# Altium PCB MB1936.PcbDoc (part 5 of 13) (continued)
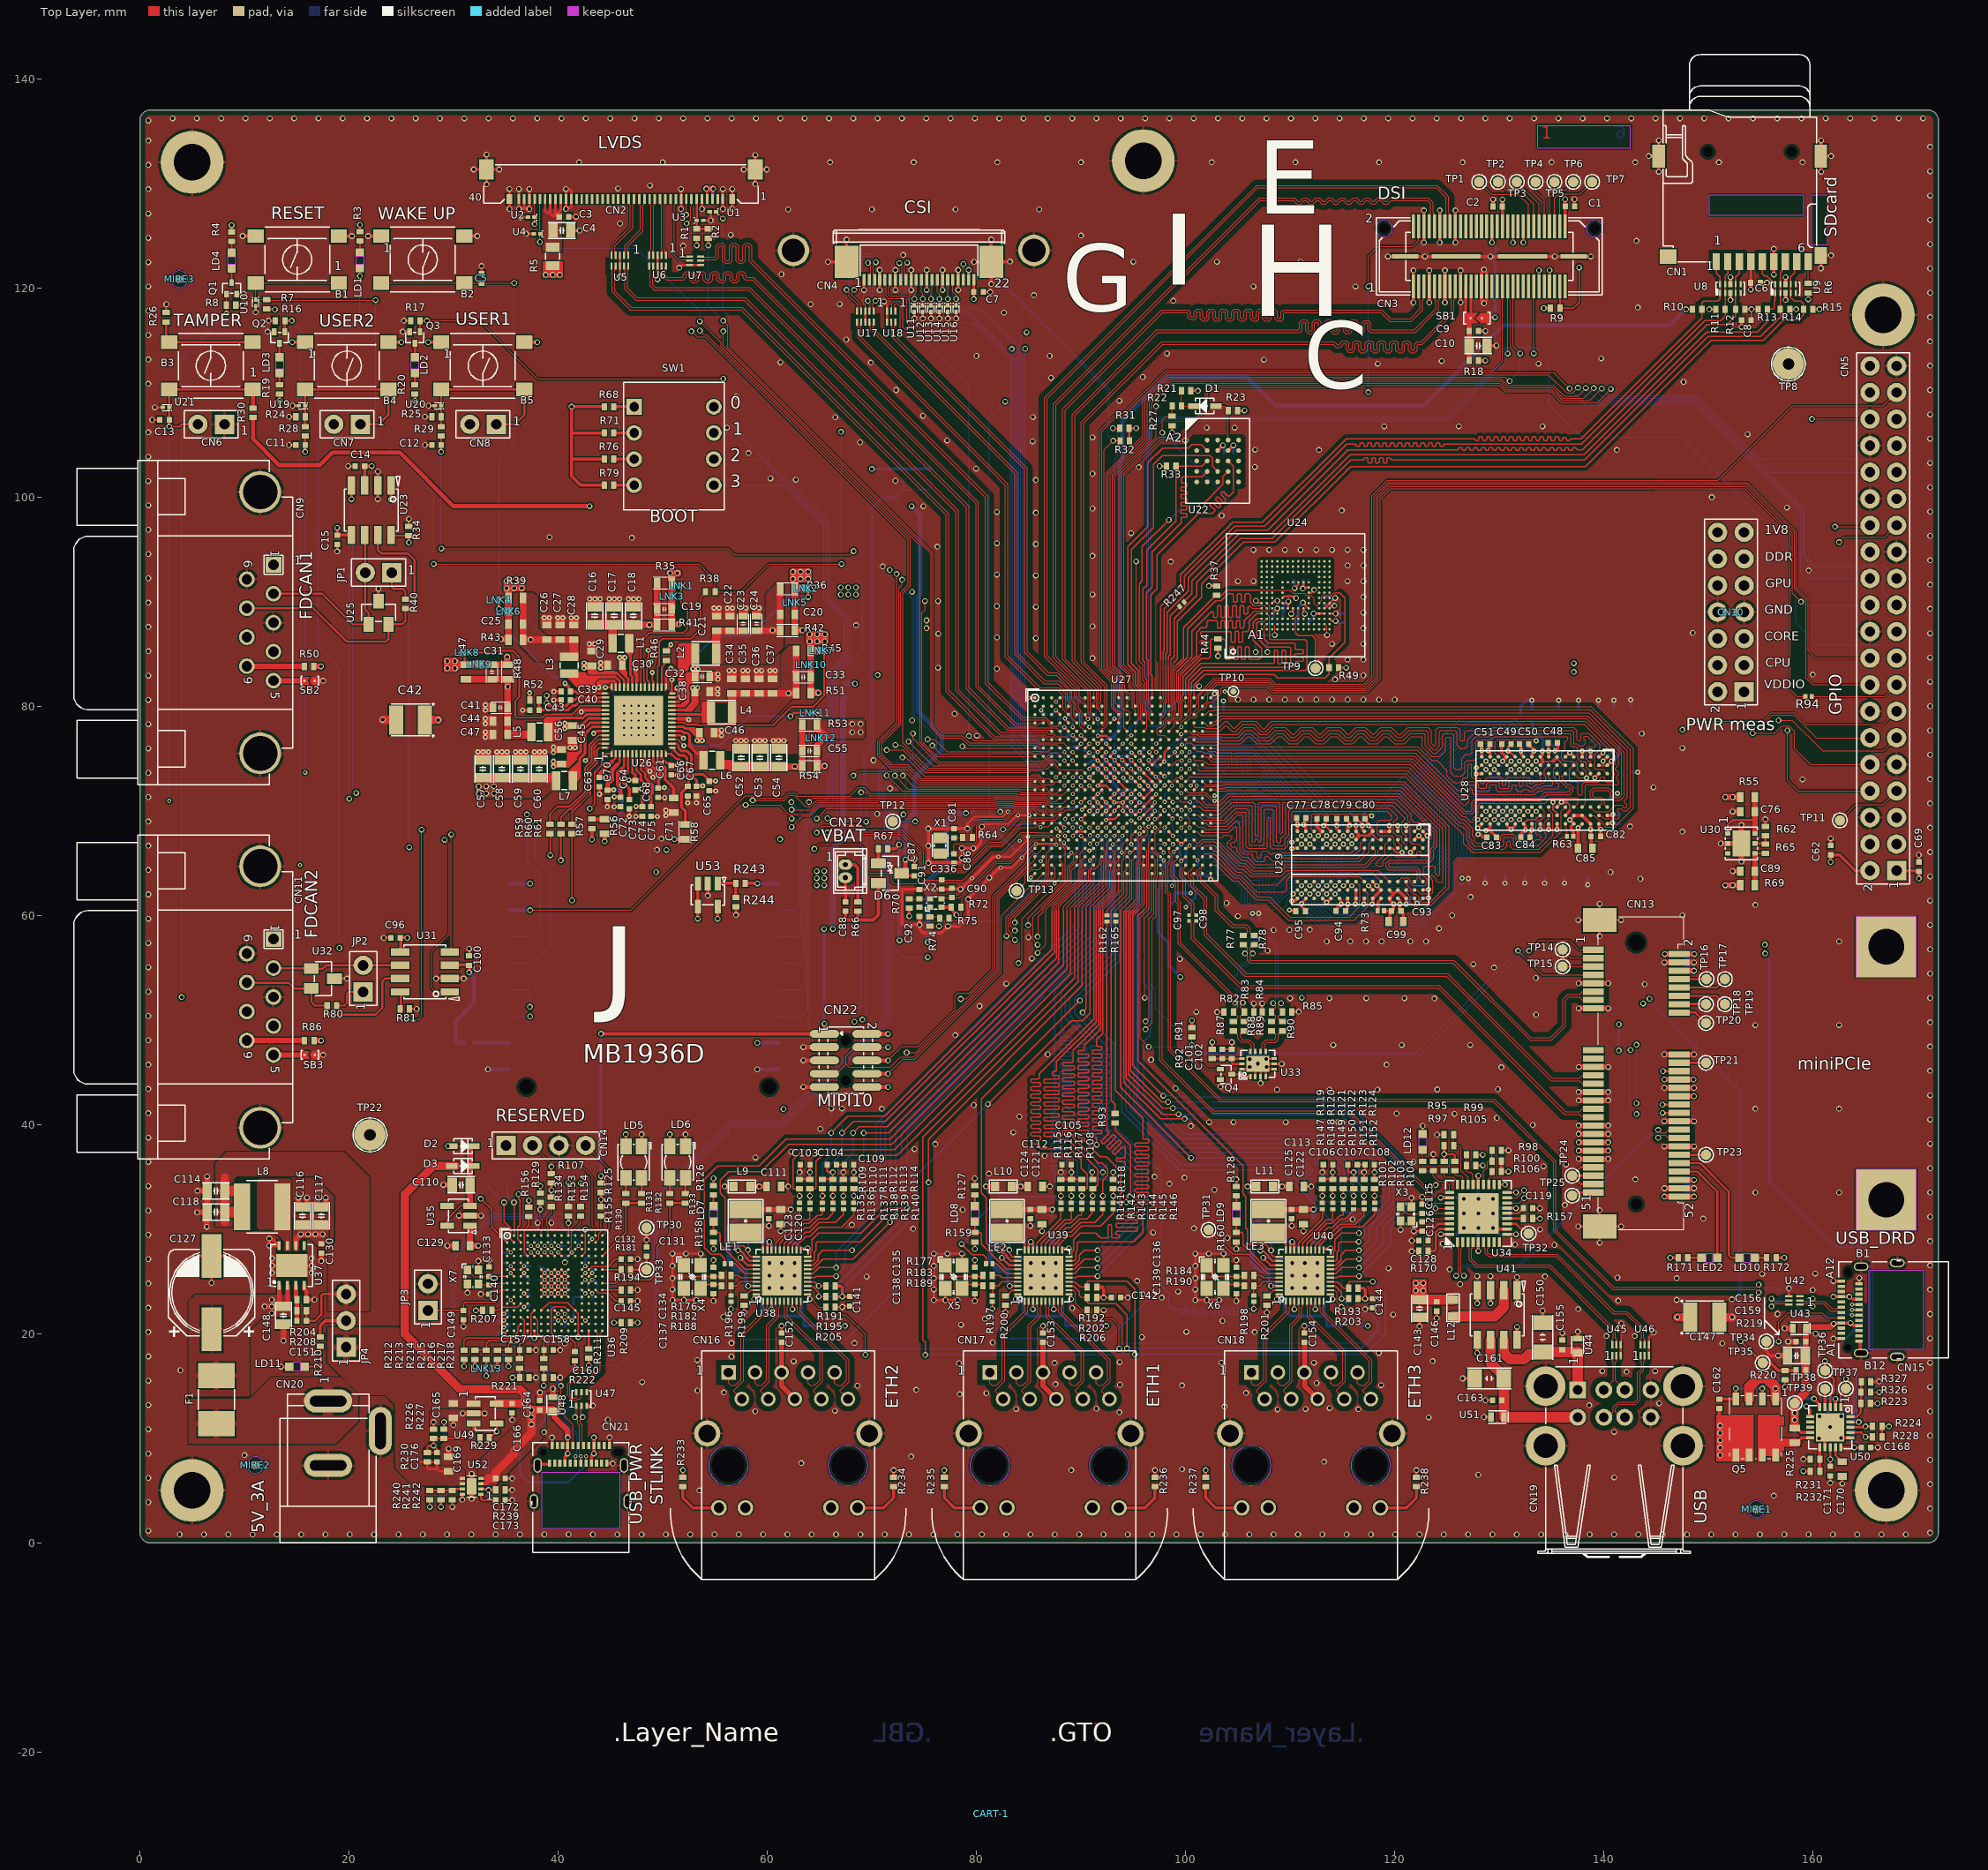
[diagram p0: Top Layer view]
## Nets (pads, with @x,y where several pads share a name; then routed paths per layer and width w, separated by ;. In a path a pad name is that pad's centre, name@x,y a point inside that pad or via, vN(x,y) a via of type N, cw(c..) or ccw(c..) an arc to the next point about the centre after c; other vN are vias at no path point) (continued)
  other v2: 98.825,70.05
DDR_CKE: R259.1 U27.M16 U28.K2 U29.K2 | length 57.3
  Top Layer w0.09: U27.M16@97.6,72 97.6,72.012 98,72.413 v2(98,72.425) ; U29.K2@115.5,67.225 v4(115.9,67.625) ; U28.K2@133.132,74.357 v4(133.525,74.75)
  Bottom Layer w0.09: v2(98,72.425) 98.345,72.77 98.345,75.92 99.386,76.961 107.381,76.961 115.278,69.064 115.278,68.398 115.9,67.776 v4(115.9,67.625) 115.975,67.625 116.45,68.1 117.584,68.1 117.9,68.416 117.9,69.065 118.215,69.379 118.215,69.796 126.896,78.477 131.132,78.477 133.72,75.889 133.72,75.392 133.525,75.197 v4(133.525,74.75) 134.965,74.75 135.75,75.535 135.75,76.4 135.375,76.775 135.375,77 R259.1@135.2,77.175
DDR_CLK_N: R270.2 U27.M19 U28.K8 U29.K8 | length 53.7
  Top Layer w0.09: U27.M19@100,72 100.295,71.705 101.964,71.705 102.369,71.3 102.625,71.3 v2(102.775,71.45) ; U29.K8@115.494,62.422 115.494,62.472 115.847,62.825 v4(115.9,62.825) ; U28.K8@133.125,69.525 U28.K8@133.125,69.55 133.125,69.575 133.478,69.928 v4@133.532,69.928
  Bottom Layer w0.09: v2(102.775,71.45) 102.859,71.45 102.981,71.328 103.454,71.328 103.91,71.785 104.607,71.785 104.917,71.475 104.917,70.099 106.345,68.671 106.345,66.508 106.489,66.365 106.9,66.365 107.435,66.9 108.025,66.9 108.287,66.638 108.287,66.089 108.563,65.813 110.813,65.813 111.243,65.383 112.6,65.383 114.397,63.586 115.411,63.586 115.616,63.38 115.616,63.03 115.794,62.852 115.794,62.764 115.614,62.584 115.614,62.427 115.729,62.312 115.96,62.312 117.201,63.553 118.301,63.553 118.569,63.821 120.089,63.821 121.027,64.759 121.956,64.759 124.08,66.883 124.08,70.33 126.54,72.79 129.915,72.79 131.986,70.719 132.938,70.719 133.232,70.425 133.232,70.22 133.502,69.95 v4(133.525,69.95) 133.25,69.675 133.25,69.534 133.388,69.396 135.392,69.396 135.721,69.725 R270.2@135.75,69.725
DDR_CLK_P: R270.1 U27.N19 U28.K7 U29.K7 | length 53.6
  Top Layer w0.09: U27.N19@100,71.2 100.325,71.525 101.89,71.525 102.315,71.1 102.625,71.1 v2(102.775,70.95) ; v4(115.1,62.825) 115.147,62.825 115.494,63.172 U29.K7@115.494,63.222 ; v4@132.778,69.928 133.125,70.275 U28.K7@133.125,70.325
  Bottom Layer w0.09: v2(102.775,70.95) 102.855,70.95 102.983,71.078 103.557,71.078 104.014,71.535 104.504,71.535 104.667,71.371 104.667,69.996 106.095,68.568 106.095,66.405 106.385,66.115 107.004,66.115 107.539,66.65 107.921,66.65 108.037,66.535 108.037,65.985 108.459,65.563 110.709,65.563 111.139,65.133 112.496,65.133 114.293,63.336 115.307,63.336 115.366,63.277 115.366,63.03 v4@115.194,62.857 ; v4(115.1,62.825) 115.127,62.825 115.364,62.589 115.364,62.324 115.625,62.062 116.063,62.062 117.304,63.303 118.404,63.303 118.672,63.571 120.193,63.571 121.131,64.509 122.06,64.509 124.33,66.779 124.33,70.227 126.644,72.54 129.811,72.54 131.882,70.469 132.834,70.469 132.982,70.321 132.982,70.206 v4(132.725,69.95) 133,69.675 133,69.43 133.285,69.146 135.382,69.146 135.703,68.825 R270.1@135.75,68.825
DDR_CSN: R273.1 U27.N16 U28.L7 U29.L7 | length 57.9
  Top Layer w0.09: U27.N16@97.6,71.2 97.625,71.2 97.975,70.85 v2(98,70.85) ; v4(114.3,62.825) 114.332,62.825 114.669,63.163 U29.L7@114.669,63.224 ; v4@131.963,69.928 132.301,70.266 U28.L7@132.301,70.327
  Bottom Layer w0.09: v2(98,70.85) 98,71.6 98.25,71.85 98.8,71.85 99.352,71.298 99.779,71.298 99.941,71.46 101.546,71.46 102.453,70.553 103.528,70.553 103.8,70.825 104.25,70.825 104.371,70.704 104.371,69.286 104.55,69.108 105.14,69.108 105.805,68.443 105.805,66.98 105.575,66.75 105.575,66.444 106.54,65.479 106.78,65.479 107.125,65.825 107.675,65.825 108.275,65.225 110.332,65.225 110.7,64.857 112.418,64.857 114.3,62.975 v4(114.3,62.825) 114.3,62.775 114.65,62.425 114.754,62.425 115.407,61.772 116.937,61.772 117.57,62.405 118.464,62.405 119.339,63.28 120.312,63.28 121.251,64.219 122.18,64.219 124.62,66.659 124.62,70.106 126.764,72.25 129.653,72.25 131.368,70.535 131.911,69.991 131.911,69.978 131.925,69.964 v4(131.925,69.95) 133.036,68.839 133.4,68.839 133.632,68.607 134.35,68.607 ; 134.35,68.606 134.853,68.606 135.095,68.364 135.095,68.046 135.337,67.805 136.42,67.805 136.85,67.375 R273.1@137.55,67.375
DDR_DQ0: U27.W22 U29.F7 | length 18.5
  Top Layer w0.09: U27.W22@102.4,66.4 102.615,66.185 102.82,66.185 104.862,64.144 105.339,64.144 106.556,62.927 108.753,62.927 109.836,64.01 117.908,64.01 U29.F7@118.682,63.237
DDR_DQ1: U27.Y21 U29.H7 | length 18.5
  Top Layer w0.09: U27.Y21@101.6,65.6 101.6,65.628 101.867,65.895 102.7,65.895 104.741,63.854 105.219,63.854 106.826,62.246 109.511,62.246 109.669,62.405 109.669,63.377 110.012,63.72 116.596,63.72 U29.H7@117.094,63.222
DDR_DQ2: U27.Y22 U29.J7 | length 19.6
  Top Layer w0.09: U27.Y22@102.4,65.6 102.419,65.581 102.604,65.581 104.621,63.564 105.098,63.564 106.884,61.778 108.022,61.778 109.953,59.847 115.648,59.847 116.651,60.851 116.651,61.417 116.695,61.461 116.695,62.82 U29.J7@116.294,63.222
DDR_DQ3: U27.AA22 U29.H8 | length 19.5
  Top Layer w0.09: U27.AA22@102.4,64.8 102.975,64.8 104.501,63.274 104.978,63.274 106.764,61.488 107.902,61.488 109.843,59.547 116.149,59.547 117.453,60.851 117.453,62.063 U29.H8@117.094,62.422
DDR_DQ4: U27.T21 U29.J3 | length 20
  Top Layer w0.09: U27.T21@101.6,68.8 101.942,68.8 102.237,68.505 103.899,68.505 104.992,69.599 105.381,69.599 105.501,69.478 105.501,66.319 105.686,66.134 106.676,66.134 106.835,65.974 106.835,65.53 106.934,65.432 107.071,65.432 107.232,65.593 107.232,65.957 107.413,66.137 107.785,66.137 108.072,65.85 108.382,65.85 108.536,66.003 115.875,66.003 U29.J3@116.294,66.422
DDR_DQ5: U27.T20 U29.H2 | length 22.2
  Top Layer w0.09: U27.T20@100.8,68.8 101.182,68.418 101.67,68.418 101.873,68.215 104.019,68.215 104.777,68.973 105.038,68.973 105.139,68.872 105.139,68.517 105.211,68.445 105.211,66.198 105.566,65.844 106.371,65.844 106.423,65.791 106.423,65.463 106.744,65.142 107.523,65.142 107.576,65.195 107.576,65.527 107.706,65.658 107.848,65.658 108.364,65.142 108.498,65.142 108.612,65.256 108.612,65.628 108.697,65.713 116.104,65.713 116.735,66.345 116.735,66.864 U29.H2@117.094,67.222
DDR_DQ6: U27.U21 U29.H3 | length 20.3
  Top Layer w0.09: U27.U21@101.604,68.004 101.682,67.925 104.139,67.925 104.682,68.468 104.778,68.468 104.921,68.325 104.921,67.221 104.7,67 104.463,67 104.315,66.852 104.315,66.684 104.462,66.537 104.773,66.537 104.888,66.422 104.888,66.111 105.446,65.554 105.923,65.554 106.624,64.852 108.618,64.852 109.189,65.423 116.482,65.423 117.094,66.035 U29.H3@117.094,66.422
DDR_DQ7: U27.U20 U29.G2 | length 21.4
  Top Layer w0.09: U27.U20@100.8,68 101.078,68 101.452,67.626 103.005,67.626 103.231,67.4 103.475,67.4 103.7,67.626 104.375,67.626 104.428,67.573 104.428,67.375 104.025,66.972 104.025,66.564 105.326,65.264 105.803,65.264 106.504,64.562 108.738,64.562 109.309,65.133 116.602,65.133 117.544,66.074 117.544,66.872 U29.G2@117.894,67.222
DDR_DQ8: U27.M21 U29.B8 | length 35.2
  Top Layer w0.09: U27.M21@101.6,72 101.903,72.303 102.947,72.303 103.083,72.168 103.776,72.168 103.826,72.217 120.651,72.217 124.615,68.253 124.615,63.246 124.515,63.146 124.15,63.146 123.994,63.303 123.994,63.472 123.614,63.852 123.54,63.852 123.378,63.69 123.378,63.616 123.645,63.349 123.645,62.17 123.55,62.075 122.461,62.075 122.151,62.386 121.93,62.386 U29.B8@121.894,62.422
DDR_DQ9: U27.M22 U29.D7 | length 35.2
  Top Layer w0.09: U27.M22@102.4,72 102.84,72 102.963,71.878 103.896,71.878 103.946,71.927 103.961,71.927 120.531,71.927 124.325,68.133 124.325,63.934 124.185,63.794 124.082,63.794 123.893,63.982 123.893,64.552 123.715,64.73 122.952,64.73 122.769,64.547 122.769,63.797 123.094,63.471 123.094,63.063 122.908,62.877 121.751,62.877 121.474,63.154 121.474,63.339 121.241,63.573 120.644,63.573 U29.D7@120.294,63.222
DDR_DQ10: U27.L21 U29.C7 | length 36.4
  Top Layer w0.09: U27.L21@101.6,72.8 101.9,72.5 103.16,72.5 103.203,72.458 103.656,72.458 103.706,72.507 120.771,72.507 124.905,68.373 124.905,62.771 123.411,61.277 122.596,61.277 122.321,61.552 122.321,61.708 122.007,62.022 121.806,62.022 121.521,62.307 121.521,62.523 121.094,62.951 U29.C7@121.094,63.222
DDR_DQ11: U27.L22 U29.C8 | length 36.5
  Top Layer w0.09: U27.L22@102.403,72.797 120.891,72.797 125.195,68.493 125.195,62.651 123.531,60.987 123.257,60.987 123.025,60.755 121.984,60.755 121.984,60.758 121.507,61.234 121.507,61.777 121.15,62.134 121.15,62.375 U29.C8@121.1,62.425
DDR_DQ12: U27.T22 U29.D3 | length 35.7
  Top Layer w0.09: U27.T22@102.4,68.8 103.783,68.8 104.872,69.889 105.737,69.889 105.791,69.835 105.791,66.585 105.949,66.427 107.716,66.427 107.827,66.538 107.827,69.263 107.91,69.347 108.01,69.347 108.123,69.233 108.123,66.54 108.296,66.367 109.46,66.367 109.78,66.687 109.78,67.164 110.164,67.547 110.164,69.788 110.313,69.937 119.279,69.937 119.719,69.497 119.719,69.239 119.587,69.108 118.533,69.108 118.305,68.88 118.305,67.858 118.541,67.622 119.665,67.622 119.924,67.363 119.924,66.792 U29.D3@120.294,66.422
DDR_DQ13: U27.R20 U29.C3 | length 37.4
  Top Layer w0.09: U27.R20@100.8,69.6 101.138,69.6 101.636,69.102 103.675,69.102 104.765,70.192 105.844,70.192 106.081,69.955 106.081,66.825 106.188,66.717 107.424,66.717 107.537,66.83 107.537,70.029 107.653,70.145 108.296,70.145 108.413,70.028 108.413,66.754 108.51,66.657 109.34,66.657 109.49,66.807 109.49,67.284 109.874,67.667 109.874,70.049 110.052,70.227 119.483,70.227 120.263,69.447 120.269,69.447 120.269,69.337 119.902,68.97 119.902,67.875 120.149,67.628 120.538,67.628 120.694,67.472 120.694,67.085 121.08,66.698 121.08,66.436 U29.C3@121.094,66.422
DDR_DQ14: U27.R21 U29.C2 | length 36.8
  Top Layer w0.09: U27.R21@101.6,69.6 101.893,69.6 102.189,69.304 103.346,69.304 104.56,70.517 106.284,70.517 106.371,70.431 106.371,67.089 106.453,67.007 106.566,67.007 106.661,67.102 106.661,67.233 106.737,67.309 106.852,67.309 106.957,67.204 106.957,67.082 107.031,67.007 107.158,67.007 107.247,67.096 107.247,70.431 107.333,70.517 108.633,70.517 108.703,70.447 108.703,67.035 108.791,66.947 109.031,66.947 109.121,67.037 109.121,67.358 109.584,67.821 109.584,70.439 109.662,70.517 119.769,70.517 120.994,69.292 120.994,69.186 120.704,68.897 120.704,67.924 121.094,67.534 U29.C2@121.094,67.222
DDR_DQ15: U27.R22 U29.A3 | length 35.9
  Top Layer w0.09: U27.R22@102.4,69.6 103.232,69.6 104.44,70.807 106.441,70.807 106.661,70.587 106.661,67.682 106.743,67.599 106.876,67.599 106.957,67.68 106.957,70.705 107.059,70.807 108.94,70.807 108.993,70.754 108.993,67.867 109.046,67.814 109.167,67.814 109.294,67.941 109.294,70.754 109.346,70.807 120.01,70.807 121.286,69.532 121.286,68.986 121.495,68.776 121.495,66.99 121.665,66.82 122.296,66.82 U29.A3@122.694,66.422
DDR_DQ16: U27.D20 U28.D7 | length 52.3
  Top Layer w0.09: U27.D20@100.8,78.4 100.8,78.074 100.912,77.962 ; 100.913,77.963 101.838,77.963 101.908,77.892 103.143,77.892 103.791,78.54 103.925,78.54 104.573,77.892 104.712,77.892 105.36,78.54 106.715,78.54 107.399,77.856 107.546,77.856 108.231,78.54 138.22,78.54 141.412,75.348 141.412,74.373 ; U28.D7@137.925,70.35 137.925,70.366 138.23,70.67 138.23,72.412 138.282,72.465 141.261,72.465 141.413,72.617 141.413,72.863 141.236,73.04 141.236,73.285 141.413,73.462 141.413,73.593 141.093,73.913 141.093,74.052 141.413,74.372
DDR_DQ17: U27.C22 U28.C7 | length 50.9
  Top Layer w0.09: U27.C22@102.4,79.2 103.106,79.2 103.277,79.37 138.564,79.37 142.243,75.691 142.243,71.27 141.949,70.976 141.949,70.826 142.191,70.585 142.191,70.427 142.067,70.304 141.924,70.304 141.703,70.525 141.072,70.525 140.468,69.921 139.13,69.921 U28.C7@138.725,70.325
DDR_DQ18: U27.C21 U28.B8 | length 52.6
  Top Layer w0.09: U27.C21@101.6,79.2 101.897,79.2 102.272,79.575 102.725,79.575 102.811,79.66 138.684,79.66 142.533,75.812 142.533,70.359 142.188,70.014 141.804,70.014 141.631,70.187 141.402,70.187 141.318,70.103 141.318,69.932 141.47,69.78 141.47,69.366 141.332,69.228 140.047,69.228 139.78,69.495 139.58,69.495 U28.B8@139.525,69.55
DDR_DQ19: U27.B22 U28.C8 | length 53.2
  Top Layer w0.09: U27.B22@102.4,80 102.45,79.95 138.804,79.95 139.04,79.715 142.823,75.932 142.823,70.239 141.014,68.43 140.193,68.43 139.93,68.693 139.93,68.798 139.568,69.16 139.463,69.16 139.073,69.55 U28.C8@138.725,69.55
DDR_DQ20: U27.F20 U28.D3 | length 54.2
  Top Layer w0.09: U27.F20@100.8,76.8 101.025,76.575 103.14,76.575 103.309,76.406 105.277,76.406 105.961,77.09 106.115,77.09 106.799,76.406 108.147,76.406 108.831,77.09 109.181,77.09 109.865,76.406 110.711,76.406 111.395,77.09 111.74,77.09 112.424,76.406 113.261,76.406 113.945,77.09 114.465,77.09 115.149,76.406 115.986,76.406 116.67,77.09 116.843,77.09 117.527,76.406 118.352,76.406 119.036,77.09 119.305,77.09 119.989,76.406 120.936,76.406 121.62,77.09 122.6,77.09 122.646,77.045 122.646,76.1 123.574,75.172 124.284,75.172 124.865,75.753 124.865,76.89 125,77.025 125.225,77.025 125.376,76.875 125.376,73.68 125.721,73.335 126.42,73.335 126.7,73.615 126.7,74.601 126.925,74.825 127.6,74.825 127.755,74.98 127.755,76.67 127.881,76.796 129.196,76.796 129.49,77.09 136.46,77.09 136.545,77.005 136.545,76.795 136.3,76.55 136.3,75.9 135.95,75.55 135.95,74.96 136.15,74.761 136.786,74.761 136.852,74.695 137.323,74.695 137.47,74.548 137.47,73.897 137.818,73.55 U28.D3@137.925,73.55
DDR_DQ21: U27.F19 U28.C3 | length 54.6
  Top Layer w0.09: U27.F19@100,76.8 100.039,76.8 100.339,77.1 100.924,77.1 101.199,76.825 103.3,76.825 103.429,76.696 105.157,76.696 105.841,77.38 106.235,77.38 106.919,76.696 108.027,76.696 108.711,77.38 109.301,77.38 109.985,76.696 110.591,76.696 111.275,77.38 111.86,77.38 112.544,76.696 113.141,76.696 113.825,77.38 114.585,77.38 115.269,76.696 115.866,76.696 116.55,77.38 116.963,77.38 117.647,76.696 118.232,76.696 118.916,77.38 119.425,77.38 120.109,76.696 120.816,76.696 121.5,77.38 122.821,77.38 122.936,77.265 122.936,76.22 123.694,75.462 123.962,75.462 124.575,76.075 124.575,77.25 124.706,77.38 125.52,77.38 125.666,77.235 125.666,74.1 125.816,73.95 126.285,73.95 126.41,74.075 126.41,74.993 126.793,75.375 127.25,75.375 127.4,75.525 127.4,76.75 127.736,77.086 129.076,77.086 129.37,77.38 136.745,77.38 136.835,77.29 136.835,76.785 ; 136.835,76.765 136.835,76.24 136.98,76.095 137.289,76.095 137.52,75.864 137.52,75.848 137.527,75.842 137.527,75.644 137.528,75.642 137.528,74.983 137.537,74.974 137.537,74.964 137.768,74.733 137.778,74.733 137.781,74.73 138.161,74.73 138.325,74.566 138.325,74.188 138.712,73.801 U28.C3@138.712,73.539
DDR_DQ22: U27.E19 U28.C2 | length 54
  Top Layer w0.09: U27.E19@100,77.6 100.376,77.6 100.676,77.3 101.117,77.3 101.317,77.1 103.435,77.1 103.549,76.986 105.036,76.986 105.721,77.67 106.355,77.67 107.039,76.986 107.907,76.986 108.591,77.67 109.421,77.67 110.105,76.986 110.47,76.986 111.155,77.67 111.98,77.67 112.665,76.986 113.02,76.986 113.705,77.67 114.705,77.67 115.39,76.986 115.745,76.986 116.43,77.67 117.083,77.67 117.767,76.986 118.111,76.986 118.796,77.67 119.545,77.67 120.229,76.986 120.695,76.986 121.38,77.67 123.009,77.67 123.226,77.454 123.226,76.34 123.741,75.825 123.915,75.825 124.275,76.185 124.275,77.55 124.396,77.67 125.75,77.67 125.957,77.464 125.957,76.268 126.289,75.937 126.673,75.937 126.962,76.226 126.962,76.77 127.568,77.376 128.956,77.376 129.25,77.67 136.955,77.67 137.125,77.5 137.125,76.462 137.2,76.387 137.417,76.387 137.608,76.196 138,76.196 138.225,76.421 138.225,76.75 138.09,76.885 138.09,77.065 138.155,77.13 138.4,77.13 139.204,76.326 139.204,76.204 139.095,76.095 138.925,76.095 138.845,76.175 138.642,76.175 138.323,75.856 138.323,74.978 138.568,74.733 138.63,74.733 138.725,74.637 U28.C2@138.725,74.35
DDR_DQ23: U27.E20 U28.A3 | length 53.5
  Top Layer w0.09: U27.E20@100.8,77.6 101.1,77.6 101.4,77.3 104.94,77.3 105.601,77.96 106.475,77.96 107.159,77.276 107.787,77.276 108.471,77.96 109.541,77.96 110.225,77.276 110.35,77.276 111.035,77.96 112.1,77.96 112.785,77.276 112.9,77.276 113.585,77.96 114.825,77.96 115.51,77.276 115.625,77.276 116.31,77.96 117.203,77.96 117.887,77.276 117.991,77.276 118.676,77.96 119.665,77.96 120.349,77.276 120.575,77.276 121.26,77.96 123.164,77.96 123.516,77.608 123.516,76.46 123.778,76.198 123.878,76.198 123.95,76.27 123.95,77.725 124.186,77.96 125.99,77.96 126.247,77.703 126.247,76.798 126.35,76.695 126.592,76.695 126.672,76.775 126.672,77.499 126.839,77.666 128.836,77.666 129.13,77.96 137.115,77.96 137.425,77.65 137.425,76.788 137.494,76.719 137.719,76.719 137.8,76.8 137.8,77.3 137.92,77.42 138.52,77.42 139.625,76.315 139.625,75.862 139.137,75.374 139.137,74.086 139.278,73.945 139.905,73.945 U28.A3@140.325,73.525
DDR_DQ24: U27.G19 U28.J3 | length 42.1
  Top Layer w0.09: U27.G19@100,76 100,76.4 100.1,76.5 100.505,76.5 100.71,76.295 103.009,76.295 103.188,76.116 122.219,76.116 123.543,74.793 124.058,74.793 125.002,73.848 125.002,73.333 125.661,72.675 126.209,72.675 126.644,73.11 126.925,73.11 127,73.185 127,74.388 127.086,74.474 127.259,74.474 127.362,74.37 127.362,73.248 127.5,73.11 128.09,73.11 128.2,73 128.2,72.735 128.32,72.615 128.485,72.615 128.625,72.755 128.625,72.9 128.925,73.2 130.125,73.2 130.306,73.02 130.306,72.475 130.346,72.435 130.525,72.435 130.625,72.535 130.625,73.046 130.779,73.2 132.748,73.2 132.9,73.048 132.9,72.67 133.01,72.56 ; 133.011,72.56 133.14,72.56 133.358,72.778 133.77,72.778 133.925,72.933 U28.J3@133.925,73.55
DDR_DQ25: U27.G22 U28.H2 | length 39.7
  Top Layer w0.09: U27.G22@102.4,76 102.41,75.99 102.904,75.99 103.068,75.826 122.099,75.826 126.009,71.916 126.264,71.916 126.52,72.173 126.52,72.54 126.75,72.77 127.755,72.77 128.03,72.495 128.03,72.249 128.134,72.145 128.7,72.145 128.8,72.245 128.8,72.52 129.05,72.77 129.84,72.77 130.016,72.595 130.016,72.21 130.08,72.145 130.88,72.145 130.935,72.2 130.935,72.824 131.021,72.91 131.816,72.91 131.925,72.8 131.925,72.398 131.998,72.325 132.131,72.325 132.3,72.495 132.3,72.85 132.36,72.91 132.554,72.91 132.61,72.853 132.61,72.415 132.7,72.325 132.835,72.325 133.015,72.145 133.135,72.145 133.478,72.488 133.89,72.488 134.093,72.69 134.267,72.69 134.425,72.849 134.425,73.275 134.329,73.371 134.329,73.929 U28.H2@134.725,74.325
DDR_DQ26: U27.G21 U28.H3 | length 40.5
  Top Layer w0.09: U27.G21@101.6,76 101.9,76 102.2,75.7 102.784,75.7 102.948,75.536 121.969,75.536 126.18,71.325 126.66,71.325 126.81,71.475 126.81,72.363 126.904,72.457 127.632,72.457 127.74,72.349 127.74,71.956 127.841,71.855 128.977,71.855 129.1,71.978 129.1,72.307 129.268,72.475 129.601,72.475 129.726,72.35 129.726,71.951 129.822,71.855 131.03,71.855 131.225,72.05 131.225,72.39 131.319,72.483 131.55,72.483 131.627,72.407 131.627,72.008 131.78,71.855 132.165,71.855 132.345,72.035 132.715,72.035 132.895,71.855 133.255,71.855 133.598,72.198 134.011,72.198 134.213,72.4 135.008,72.4 135.135,72.526 135.135,72.715 134.725,73.124 U28.H3@134.725,73.55
DDR_DQ27: U27.G20 U28.G2 | length 41.6
  Top Layer w0.09: U27.G20@100.8,76 101.1,75.7 101.527,75.7 101.727,75.5 102.574,75.5 102.828,75.246 121.848,75.246 126.543,70.552 126.809,70.552 127.1,70.843 127.1,71.975 127.225,72.1 127.355,72.1 127.45,72.005 127.45,71.715 127.6,71.565 133.375,71.565 133.718,71.908 134.131,71.908 134.328,72.105 135.59,72.105 135.7,72.216 135.7,72.515 135.425,72.791 135.425,73.051 135.18,73.295 135.18,73.98 U28.G2@135.525,74.325
DDR_DQ28: U27.J21 U28.J7 | length 41.5
  Top Layer w0.09: U27.J21@101.6,74.4 101.614,74.4 101.892,74.122 121.368,74.122 126.35,69.14 126.635,69.14 127.45,68.325 127.45,67.601 127.675,67.376 127.675,67.004 127.779,66.9 129.995,66.9 130.152,67.057 130.152,67.502 130.4,67.75 131.301,67.75 131.63,67.421 131.63,66.997 131.728,66.9 133.223,66.9 133.566,67.243 133.858,67.243 134,67.385 134,67.525 133.8,67.725 133.6,67.725 133.505,67.82 133.505,68.86 133.768,69.123 133.898,69.123 133.98,69.205 134.068,69.205 134.303,69.439 134.303,69.973 U28.J7@133.925,70.35
DDR_DQ29: U27.J20 U28.H8 | length 41.8
  Top Layer w0.09: U27.J20@100.8,74.4 101.125,74.4 101.2,74.325 101.2,74 101.368,73.832 121.248,73.832 126.23,68.85 126.515,68.85 127.16,68.205 127.16,67.37 127.385,67.145 127.385,66.884 127.659,66.61 130.312,66.61 130.442,66.74 130.442,67.382 130.52,67.46 131.181,67.46 131.34,67.301 131.34,66.765 131.496,66.61 133.64,66.61 134.5,67.47 134.5,67.775 134.3,67.975 134.3,68.869 134.725,69.294 U28.H8@134.725,69.55
DDR_DQ30: U27.K20 U28.H7 | length 42.5
  Top Layer w0.09: U27.K20@100.8,73.6 100.858,73.542 121.128,73.542 126.11,68.56 126.395,68.56 126.87,68.085 126.87,67.25 127.095,67.025 127.095,66.763 127.539,66.32 130.432,66.32 130.732,66.62 130.732,67.028 130.8,67.096 130.998,67.096 131.05,67.043 131.05,66.584 131.314,66.32 133.795,66.32 135.1,67.625 135.1,69.692 134.725,70.067 U28.H7@134.725,70.35
DDR_DQ31: U27.L19 U28.F7 | length 42.9
  Top Layer w0.09: U27.L19@100,72.8 100.442,73.242 121.018,73.242 126.58,67.68 126.58,66.868 127.419,66.03 133.93,66.03 135.926,68.026 135.926,69.951 U28.F7@136.325,70.35
DDR_DQM0: U27.W21 U29.E7 | length 19.9
  Top Layer w0.09: U27.W21@101.6,66.4 101.921,66.721 102.694,66.721 104.982,64.434 105.459,64.434 106.16,63.732 109.138,63.732 109.706,64.3 118.416,64.3 U29.E7@119.494,63.222
DDR_DQM1: U27.P20 U29.E2 | length 36.9
  Top Layer w0.09: U27.P20@100.8,70.4 101.34,70.4 101.713,70.028 103.22,70.028 103.225,70.033 103.24,70.033 104.304,71.097 120.187,71.097 121.575,69.709 121.575,69.135 121.807,68.904 122.381,68.904 123.495,67.789 123.495,67.402 123.169,67.075 123.169,65.672 123.092,65.595 122.575,65.595 122.491,65.679 122.491,66.034 122.379,66.146 122.228,66.146 122.125,66.042 122.125,65.692 122.028,65.595 120.109,65.595 119.827,65.877 119.627,65.877 118.886,65.136 118.886,64.8 118.787,64.7 118.346,64.7 118.2,64.847 118.2,64.991 119.069,65.86 119.069,66.797 U29.E2@119.494,67.222
DDR_DQM2: U27.E21 U28.E2 | length 53.4
  Top Layer w0.09: U27.E21@101.6,77.6 103.26,77.6 103.76,78.1 103.956,78.1 104.456,77.6 104.83,77.6 105.48,78.25 106.595,78.25 107.279,77.566 107.666,77.566 108.351,78.25 138.1,78.25 141.122,75.228 141.122,74.492 140.803,74.173 140.803,73.793 141.002,73.595 141.002,73.461 140.803,73.263 140.803,72.875 140.683,72.755 140.2,72.755 140.11,72.845 140.11,73.115 139.975,73.25 139.784,73.25 139.625,73.091 139.625,72.9 139.48,72.755 138.162,72.755 137.94,72.532 137.94,71.606 137.844,71.511 137.594,71.511 137.507,71.597 137.507,72.722 137.4,72.829 136.816,72.829 136.703,72.942 136.703,73.923 137.128,74.348 U28.E2@137.125,74.35
DDR_DQM3: U27.H20 U28.E7 | length 42.1
  Top Layer w0.09: U27.H20@100.8,75.2 100.8,74.898 100.876,74.822 101.616,74.822 101.79,74.648 101.947,74.648 102.183,74.412 121.488,74.412 126.47,69.43 126.755,69.43 127.285,68.9 127.421,68.9 127.53,69.01 127.53,69.335 127.965,69.769 127.965,70.475 127.965,70.491 128.169,70.695 134.353,70.695 134.88,71.222 137.429,71.222 137.525,71.125 137.525,70.725 U28.E7@137.125,70.325
DDR_DQS0_N: U27.W20 U29.F3 | length 20.6
  Top Layer w0.09: U27.W20@100.8,66.4 101.082,66.682 101.343,66.682 101.682,67.022 102.804,67.022 105.102,64.724 105.579,64.724 106.28,64.022 109.018,64.022 109.589,64.593 117.252,64.593 118.418,65.758 118.418,66.146 U29.F3@118.694,66.422
DDR_DQS0_P: U27.V20 U29.G3 | length 20.2
  Top Layer w0.09: U27.V20@100.8,67.2 101.068,66.932 101.239,66.932 101.579,67.272 102.907,67.272 105.205,64.974 105.682,64.974 106.384,64.272 108.914,64.272 109.486,64.843 117.149,64.843 118.168,65.862 118.168,66.141 117.894,66.415 U29.G3@117.894,66.422
DDR_DQS1_N: U27.N21 U29.A7 | length 36.6
  Top Layer w0.09: U27.N21@101.6,71.2 101.6,70.904 101.936,70.568 102.996,70.568 104.066,71.637 120.411,71.637 124.035,68.013 124.035,66.556 123.733,66.254 123.733,65.462 123.303,65.032 119.551,65.032 119.426,64.907 119.426,64.707 119.544,64.59 122.12,64.59 122.41,64.3 122.41,63.506 U29.A7@122.694,63.222
DDR_DQS1_P: U27.N20 U29.B7 | length 36.9
  Top Layer w0.09: U27.N20@100.8,71.2 101.07,70.93 101.22,70.93 101.833,70.318 103.1,70.318 104.169,71.387 120.307,71.387 123.785,67.909 123.785,66.66 123.483,66.358 123.483,65.565 123.2,65.282 119.448,65.282 119.176,65.01 119.176,64.604 119.44,64.34 122.016,64.34 122.16,64.196 122.16,63.502 U29.B7@121.882,63.224
DDR_DQS2_N: U27.D22 U28.A7 | length 51.7
  Top Layer w0.09: U27.D22@102.4,78.4 102.461,78.4 102.581,78.52 102.836,78.52 103.397,79.08 138.444,79.08 141.953,75.571 141.953,71.39 141.57,71.008 140.936,71.008 140.625,71.318 140.625,71.675 140.377,71.923 139.096,71.923 138.972,71.8 138.972,71.398 139.09,71.28 139.849,71.28 140.058,71.071 140.058,70.592 U28.A7@140.325,70.325
DDR_DQS2_P: U27.D21 U28.B7 | length 52.2
  Top Layer w0.09: U27.D21@101.6,78.4 101.605,78.395 101.816,78.395 102.111,78.1 102.575,78.1 102.745,78.27 102.94,78.27 103.5,78.83 138.34,78.83 141.703,75.468 141.703,71.494 141.467,71.258 141.04,71.258 140.875,71.422 140.875,71.778 140.481,72.173 138.992,72.173 138.722,71.903 138.722,71.295 138.987,71.03 139.746,71.03 139.808,70.968 139.808,70.658 U28.B7@139.513,70.363
DDR_DQS3_N: U27.H21 U28.F3 | length 41.5
  Top Layer w0.09: U27.H21@101.533,75.175 102.001,75.175 102.47,74.706 121.62,74.706 126.604,69.721 127.379,69.721 127.658,70 127.658,70.723 127.92,70.985 133.983,70.985 134.563,71.565 136.748,71.565 137.064,71.88 137.064,72.236 136.8,72.499 136.552,72.499 136.05,73.001 136.05,73.275 U28.F3@136.325,73.55
DDR_DQS3_P: U27.H22 U28.G3 | length 40.1
  Top Layer w0.09: U27.H22@102.4,75.2 102.4,75.136 102.581,74.956 121.723,74.956 126.708,69.971 127.276,69.971 127.408,70.104 127.408,70.827 127.817,71.235 133.88,71.235 134.46,71.815 136.645,71.815 136.814,71.984 136.814,72.132 136.697,72.249 136.449,72.249 135.8,72.898 135.8,73.275 U28.G3@135.525,73.55
DDR_ODT: R258.1 U27.M17 U28.K3 U29.K3 | length 58.3
  Top Layer w0.09: U27.M17@98.4,72 98.437,72.037 98.437,72.211 98.625,72.4 v2(98.7,72.4) ; U29.K3@115.494,66.422 115.508,66.422 115.9,66.814 v4(115.9,66.848) ; U28.K3@133.125,73.525 133.14,73.525 133.525,73.911 v4(133.525,73.95)
  Bottom Layer w0.09: v2(98.7,72.4) 98.7,75.362 98.635,75.427 98.635,75.798 99.508,76.671 106.958,76.671 110.877,72.752 111.149,72.752 115.058,68.843 115.058,68.323 115.5,67.881 115.5,67.324 115.745,67.078 115.745,67.042 115.9,66.887 115.9,66.825 115.925,66.825 116.91,67.81 117.704,67.81 118.131,68.236 118.131,68.987 ; 118.131,68.987 118.504,69.36 118.504,69.673 118.505,69.674 ; 118.505,69.676 127.016,78.187 130.992,78.187 132.852,76.327 132.852,75.523 133.12,75.255 133.12,74.596 133.362,74.355 133.455,74.355 133.525,74.285 v4(133.525,73.95) 133.674,73.95 133.728,74.005 133.954,74.005 134.354,74.405 135.124,74.405 136.15,75.431 R258.1@136.15,77.175
DDR_RASN: R276.1 U27.N17 U28.L8 U29.L8 | length 55.7
  Top Layer w0.09: U27.N17@98.4,71.2 v2(98.775,70.825) ; v4(114.3,62.025) 114.3,62.055 U29.L8@114.669,62.424 ; v4@131.932,69.158 U28.L8@132.301,69.527
  Bottom Layer w0.09: v2(98.775,70.825) 99.833,70.825 100.178,71.17 101.426,71.17 102.333,70.263 104.029,70.263 104.081,70.21 104.081,69.166 104.43,68.818 105.02,68.818 105.515,68.322 105.515,67.1 105.285,66.87 105.285,66.324 106.42,65.189 106.9,65.189 107.245,65.535 107.555,65.535 108.155,64.935 110.212,64.935 110.54,64.607 112.315,64.607 113.905,63.017 113.905,62.589 114.064,62.43 114.195,62.43 114.275,62.35 114.275,62.05 v4(114.3,62.025) 114.636,62.025 115.191,61.47 117.045,61.47 117.69,62.115 118.584,62.115 119.459,62.99 120.432,62.99 121.371,63.929 122.3,63.929 124.91,66.539 124.91,69.986 126.884,71.96 129.661,71.96 131.276,70.345 131.289,70.345 131.52,70.114 131.52,70.101 131.53,70.091 131.53,69.786 131.762,69.555 131.87,69.555 131.925,69.5 v4(131.925,69.15) 132.526,68.549 133.26,68.549 133.495,68.314 133.495,68.046 133.737,67.805 133.75,67.805 133.75,67.804 134.928,67.804 135.217,67.515 135.702,67.515 136.692,66.525 R276.1@136.725,66.525
DDR_RESETN: R252.2 U27.F18 U28.P1 U29.P1 | length 56.4
  Top Layer w0.09: U27.F18@99.2,76.8 99.22,76.82 99.495,76.82 99.575,76.9 99.575,77 ; 99.575,77 v2(99.575,77.325) ; 112.05,69.6 112.15,69.7 117.543,69.7 117.718,69.525 v4(117.8,69.525) ; 112.05,69.604 112.05,68.265 U29.P1@112.294,68.022 ; U28.P1@129.925,75.15 129.602,75.474 129.602,76.533 129.869,76.8 133.4,76.8 v4(133.525,76.675)
  Bottom Layer w0.09: v2(99.575,77.325) 107.764,77.325 114.339,70.75 117.353,70.75 117.8,70.303 ; v4(117.8,69.525) 117.8,70.303 ; v4(133.525,76.675) 133,77.2 132.9,77.2 132.025,78.075 R252.2@132.025,78.4 131.886,78.4 131.246,79.04 126.538,79.04 117.8,70.303